# KiCad board vanilla-ice40-8k.kicad_pcb (continued)
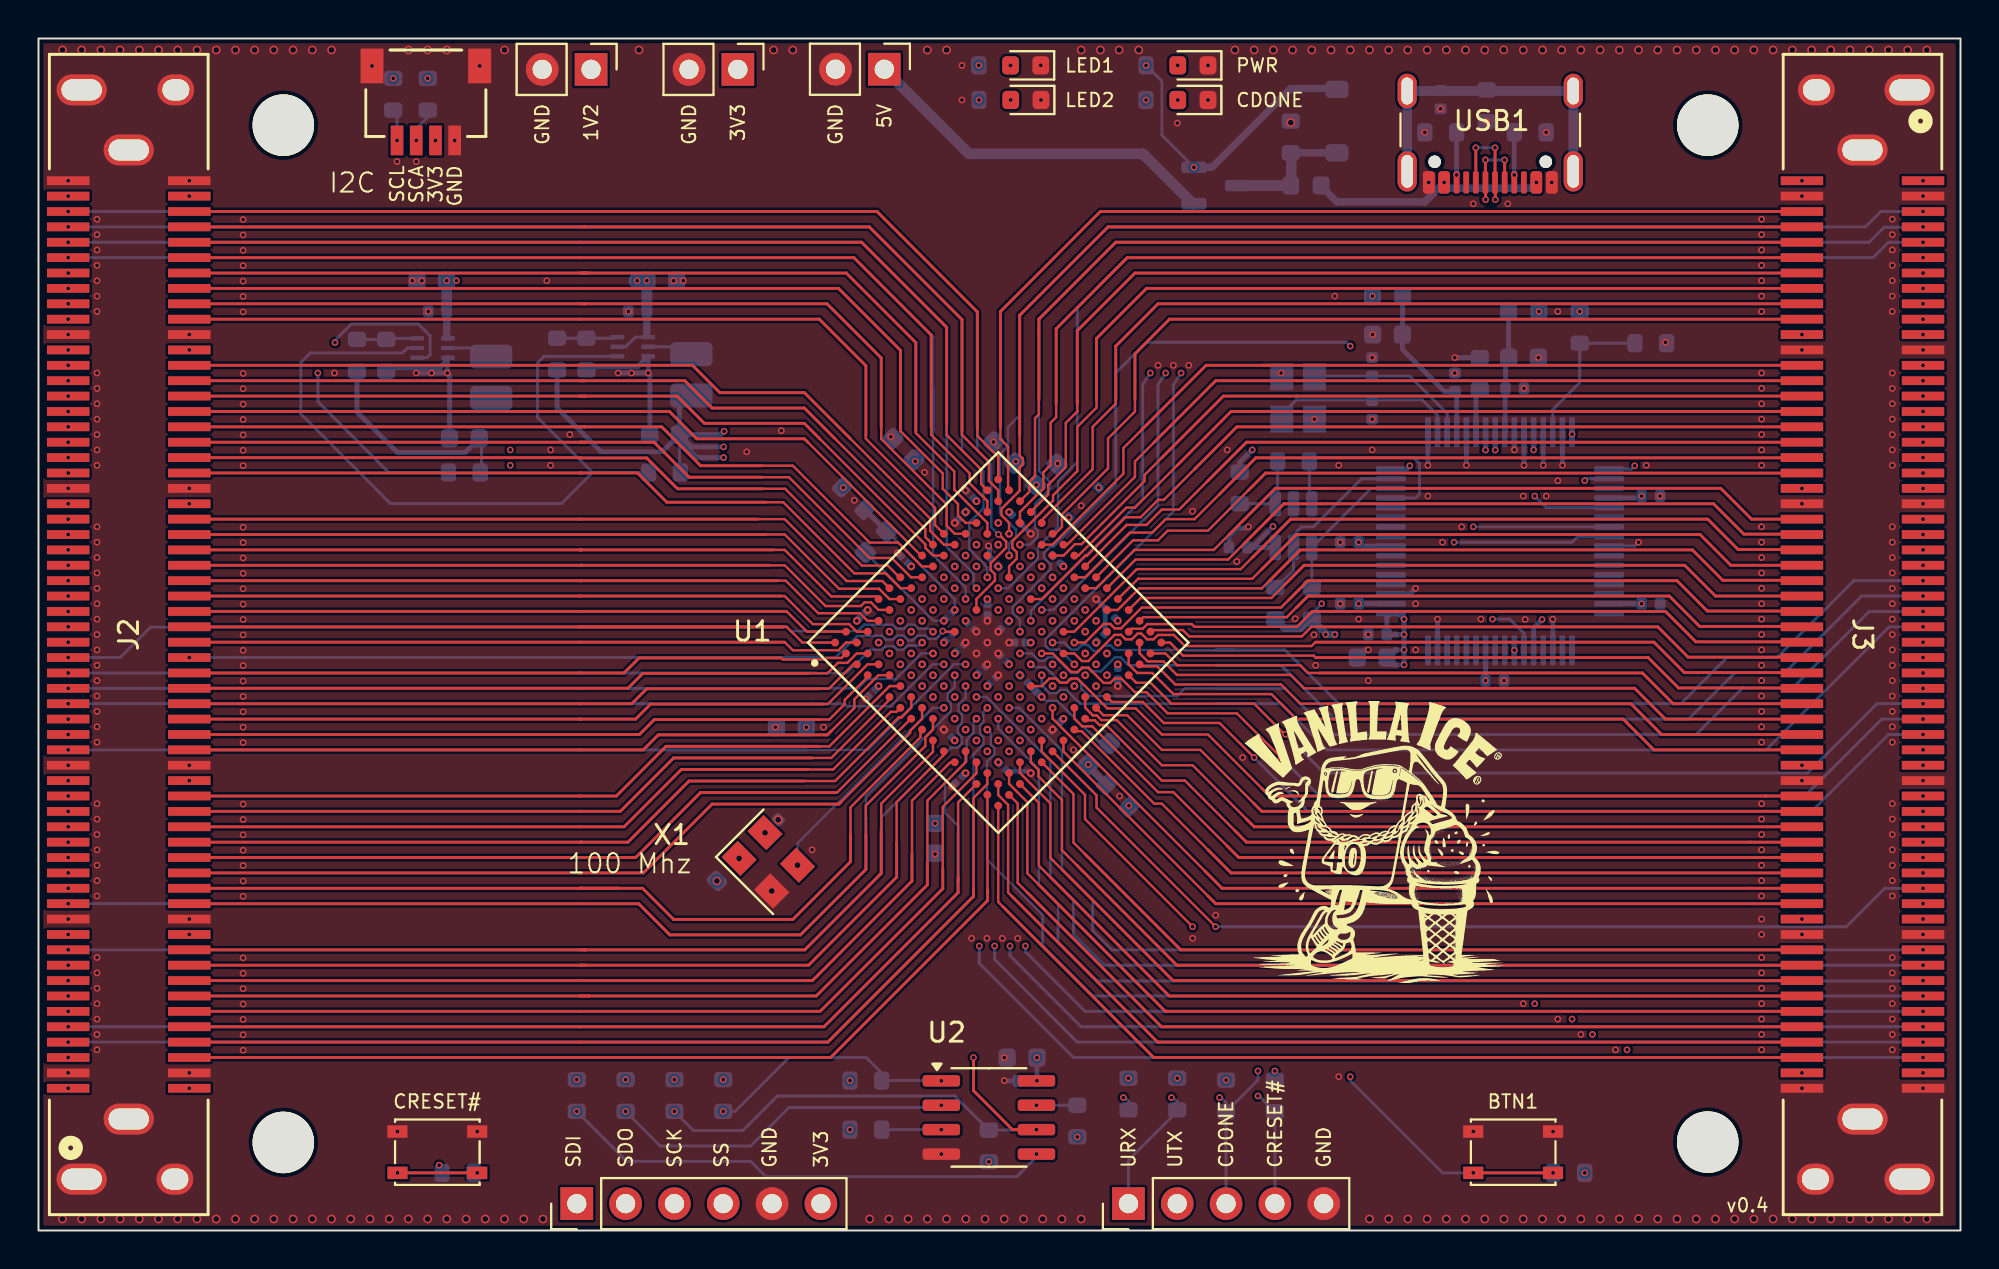
[diagram p0: board, top side]
## Footprints (pads in the part's own frame, mm; a bottom-side part is the same pattern mirrored in y, then rotated) (continued)
  rrect 0.875x0.95 smd: 1(-0.788,0) 2(0.788,0)
D_SOD-123
  rrect 0.9x1.2 smd: 1(-1.65,0) 2(1.65,0)
D_SOD-323F
  rrect 0.5x0.5 smd: 1(-1.1,0) 2(1.1,0)
L_0603_1608Metric
  rrect 0.875x0.95 smd: 1(-0.788,0) 2(0.788,0)
L_1008_2520Metric
  rrect 1.25x2.2 smd: 1(-1.075,0) 2(1.075,0)
LQFP-64_10x10mm_P0.5mm
  rrect 1.55x0.3 smd: 1(-5.675,3.75) 2(-5.675,3.25) 3(-5.675,2.75) 4(-5.675,2.25) 5(-5.675,1.75) 6(-5.675,1.25) 7(-5.675,0.75) 8(-5.675,0.25) 9(-5.675,-0.25) 10(-5.675,-0.75) 11(-5.675,-1.25) 12(-5.675,-1.75) 13(-5.675,-2.25) 14(-5.675,-2.75) 15(-5.675,-3.25) 16(-5.675,-3.75) 33(5.675,-3.75) 34(5.675,-3.25) 35(5.675,-2.75) 36(5.675,-2.25) 37(5.675,-1.75) 38(5.675,-1.25) 39(5.675,-0.75) 40(5.675,-0.25) 41(5.675,0.25) 42(5.675,0.75) 43(5.675,1.25) 44(5.675,1.75) 45(5.675,2.25) 46(5.675,2.75) 47(5.675,3.25) 48(5.675,3.75)
  rrect 0.3x1.55 smd: 17(-3.75,-5.675) 18(-3.25,-5.675) 19(-2.75,-5.675) 20(-2.25,-5.675) 21(-1.75,-5.675) 22(-1.25,-5.675) 23(-0.75,-5.675) 24(-0.25,-5.675) 25(0.25,-5.675) 26(0.75,-5.675) 27(1.25,-5.675) 28(1.75,-5.675) 29(2.25,-5.675) 30(2.75,-5.675) 31(3.25,-5.675) 32(3.75,-5.675) 49(3.75,5.675) 50(3.25,5.675) 51(2.75,5.675) 52(2.25,5.675) 53(1.75,5.675) 54(1.25,5.675) 55(0.75,5.675) 56(0.25,5.675) 57(-0.25,5.675) 58(-0.75,5.675) 59(-1.25,5.675) 60(-1.75,5.675) 61(-2.25,5.675) 62(-2.75,5.675) 63(-3.25,5.675) 64(-3.75,5.675)
MountingHole_3.2mm_M3
  round 3.2 hole 3.2 unplated: (0,0)
Oscillator_SMD_SeikoEpson_SG8002CE-4Pin_3.2x2.5mm
  rect 1.4x1.2 smd: 1(-1.2,-0.95) 2(1.2,-0.95) 3(1.2,0.95) 4(-1.2,0.95)
PinHeader_1x02_P2.54mm_Vertical
  rect 1.7x1.7 hole 1: 1(0,0)
  oval 1.7x1.7 hole 1: 2(0,-2.54)
PinHeader_1x05_P2.54mm_Vertical
  rect 1.7x1.7 hole 1: 1(0,0)
  oval 1.7x1.7 hole 1: 2(0,-2.54) 3(0,-5.08) 4(0,-7.62) 5(0,-10.16)
PinHeader_1x06_P2.54mm_Vertical
  rect 1.7x1.7 hole 1: 1(0,0)
  oval 1.7x1.7 hole 1: 2(0,-2.54) 3(0,-5.08) 4(0,-7.62) 5(0,-10.16) 6(0,-12.7)
R_0603_1608Metric
  rrect 0.8x0.95 smd: 1(-0.825,0) 2(0.825,0)
SOIC-8_3.9x4.9mm_P1.27mm
  rrect 1.95x0.6 smd: 1(-2.475,1.905) 2(-2.475,0.635) 3(-2.475,-0.635) 4(-2.475,-1.905) 5(2.475,-1.905) 6(2.475,-0.635) 7(2.475,0.635) 8(2.475,1.905)
SOT6_DRL_TEX
  rect 0.711x0.229 smd: 1(-0.8,0.5) 2(-0.8,0) 3(-0.8,-0.5) 4(0.8,-0.5) 5(0.8,0) 6(0.8,0.5)
SOT-23-3
  rrect 1.325x0.6 smd: 1(-1.137,0.95) 2(-1.137,-0.95) 3(1.137,0)
SOT-23-6
  rrect 1.325x0.6 smd: 1(-1.137,0.95) 2(-1.137,0) 3(-1.137,-0.95) 4(1.137,-0.95) 5(1.137,0) 6(1.137,0.95)
SW_SPST_PTS810
  rect 1.05x0.65 smd: 1(-2.075,1.075) 1(2.075,1.075) 2(-2.075,-1.075) 2(2.075,-1.075)
USB_C_Receptacle_GCT_USB4105-xx-A_16P_TopMnt_Horizontal
  round 0.65 hole 0.65 unplated: (-2.89,2.605) (2.89,2.605)
  rrect 0.6x1.15 smd: A1(-3.2,3.68) A4(-2.4,3.68) A9(2.4,3.68) A12(3.2,3.68) B1(3.2,3.68) B4(2.4,3.68) B9(-2.4,3.68) B12(-3.2,3.68)
  rrect 0.3x1.15 smd: A5(-1.25,3.68) A6(-0.25,3.68) A7(0.25,3.68) A8(1.25,3.68) B5(1.75,3.68) B6(0.75,3.68) B7(-0.75,3.68) B8(-1.75,3.68)
  oval 1x2.1 hole 0.6x1.7: S1(-4.32,3.105) S1(4.32,3.105)
  oval 1x1.8 hole 0.6x1.4: S1(-4.32,-1.075) S1(4.32,-1.075)

## Nets
+1V2: C2.1 C3.1 C4.1 C5.1 C6.1 C7.1 C8.1 C57.1 J9.1 L2.2 R10.1 R11.1 R37.1 R38.2 U1.A14 U1.F6 U1.F10 U1.K6 U1.K10 U1.L2
+3V3: C1.1 C14.1 C15.1 C16.1 C17.1 C18.1 C19.1 C20.1 C21.1 C22.1 C23.1 C24.1 C25.1 C26.1 C27.1 C28.1 C29.1 C30.1 C31.1 C32.1 C33.1 C34.1 C39.1 C40.1 C41.1 C42.1 C43.1 C46.1 C47.1 C48.1 C54.1 D1.2 FB1.1 FB2.1 J1.2 J2.1 J2.11 J2.21 J2.39 J2.49 J2.59 J2.61 J2.71 J2.81 J2.99 J2.109 J2.119 J3.1 J3.11 J3.21 J3.39 J3.49 J3.59 J3.61 J3.71 J3.81 J3.99 J3.109 J3.119 J5.6 J8.1 L1.2 R1.1 R2.1 R5.2 R6.1 R8.2 R9.2 R18.1 R20.1 R21.1 R22.1 R23.1 R26.1 R27.1 R28.1 R33.1 R35.2 U1.A3 U1.A8 U1.A13 U1.C15 U1.E1 U1.F8 U1.G6 U1.H10 U1.H15 U1.J6 U1.K8 U1.N1 U1.N13 U1.N15 U1.P3 U1.R8 U1.R13 U2.8 U3.20 U3.31 U3.42 U3.50 U3.56 U4.6 X1.4
+5V: C52.1 C53.1 C55.1 C56.1 D2.1 Q1.2 R7.2 U5.1 U5.5 U6.1
/hx8k power/GNDPLL0: C9.2 C10.2 U1.N8
/hx8k power/GNDPLL1: C11.2 C12.2 U1.E7
/usb-c power/1V2_SW: L2.1 U6.2
/usb-c power/3V3_SW: L1.1 U5.2
GND: 5V_1.1 BUT1.1 C1.2 C2.2 C3.2 C4.2 C5.2 C6.2 C7.2 C8.2 C13.2 C14.2 C15.2 C16.2 C17.2 C18.2 C19.2 C20.2 C21.2 C22.2 C23.2 C24.2 C25.2 C26.2 C27.2 C28.2 C29.2 C30.2 C31.2 C32.2 C33.2 C34.2 C35.2 C36.2 C37.2 C38.2 C39.2 C40.2 C41.2 C42.2 C43.2 C44.2 C45.2 C46.2 C47.2 C48.2 C49.2 C50.2 C51.1 C52.2 C53.2 C54.2 C55.2 C56.2 C57.2 CDONE1.1 J1.1 J1.S J2.2 J2.12 J2.22 J2.40 J2.50 J2.60 J2.62 J2.72 J2.82 J2.100 J2.110 J2.120 J2.121 J2.122 J2.123 J2.124 J2.125 J2.126 J3.2 J3.12 J3.22 J3.40 J3.50 J3.60 J3.62 J3.72 J3.82 J3.100 J3.110 J3.120 J3.121 J3.122 J3.123 J3.124 J3.125 J3.126 J4.5 J5.5 J7.2 J8.2 J9.2 R19.1 R30.1 R31.1 R32.1 R34.2 R36.1 R39.1 R301.1 RESET1.1 U1.A4 U1.A12 U1.E15 U1.G7 U1.G8 U1.G9 U1.H7 U1.H8 U1.H9 U1.J7 U1.J8 U1.J9 U1.K2 U1.K7 U1.L15 U1.R7 U1.T4 U1.T12 U2.4 U3.1 U3.5 U3.10 U3.11 U3.13 U3.15 U3.25 U3.35 U3.47 U3.51 U4.2 U5.3 U6.3 USB1.A1 USB1.A12 USB1.B1 USB1.B12 USR1.1 USR2.1 X1.2 Y1.2 Y1.4
/CDONE: CDONE1.2 J4.3 R6.2 R16.2 U1.M10
/CRESET#: J4.4 R5.1 R17.2 RESET1.2 U1.N11
/IOB_52: J3.55 U1.N6
/IOB_53: J3.118 U1.T1
/IOB_54: J3.46 U1.P4
/IOB_55: J3.117 U1.R2
/IOB_56: J3.43 U1.N5
/IOB_57: J3.116 U1.T2
/IOB_58: J3.44 U1.P5
/IOB_59: J3.115 U1.R3
/IOB_60: J3.112 U1.R5
/IOB_61: J3.114 U1.T3
/IOB_63: J3.113 U1.R4
/IOB_64: J3.56 U1.M7
/IOB_66: J3.38 U1.N7
/IOB_67: J3.42 U1.P6
/IOB_68: J3.101 U1.M8
/IOB_69: J3.111 U1.T5
/IOB_71: J3.48 U1.R6
/IOB_72: J3.107 U1.P8
/IOB_73: J3.47 U1.T6
/IOB_74: J3.29 U1.L9
/IOB_75: J3.108 U1.T7
/IOB_76: J3.106 U1.T8
/IOB_77: J3.41 U1.P7
/IOB_78: J3.33 U1.N9
/IOB_79: J3.104 U1.T9
/IOB_80: J3.30 U1.M9
/IOB_81: J3.105 U1.R9
/IOB_82: J3.28 U1.K9
/IOB_83: J3.34 U1.P9
/IOB_84: J3.103 U1.R10
/IOB_85: J3.36 U1.L10
/IOB_86: J3.32 U1.P10
/IOB_87: J3.31 U1.N10
/IOB_88: J3.102 U1.T10
/IOB_89: J3.37 U1.T11
/IOB_91: J3.95 U1.T15
/IOB_92: J3.97 U1.T14
/IOB_93: J3.93 U1.M11
/IOB_94: J3.35 U1.T13
/IOB_98: J3.25 U1.N12
/IOB_99: J3.27 U1.L11
/IOB_100: J3.94 U1.T16
/IOB_101: J3.89 U1.M12
/IOB_102: J3.92 U1.R16
/IOB_105_SDO: J5.1 R13.2 U1.P12 U2.5
/IOB_106_SDI: J5.2 R14.2 U1.P11 U2.2
/IOB_107_SCK: J5.3 R12.2 R20.2 U1.R11 U2.6
/IOB_108_SS: J5.4 R15.2 R18.2 U1.R12 U2.1
/IOL_1A: J2.25 U1.E4
/IOL_1B: J2.90 U1.B2
/IOL_2A: J2.27 U1.F5
/IOL_2B: J2.88 U1.B1
/IOL_3A: J2.86 U1.C1
/IOL_3B: J2.87 U1.C2
/IOL_4A: J2.20 U1.F4
/IOL_4B: J2.85 U1.D2
/IOL_5A: J2.26 U1.G5
/IOL_5B: J2.84 U1.D1
/IOL_6A: J2.17 U1.G4
/IOL_6B: J2.24 U1.E3
/IOL_7A: J2.13 U1.H5
/IOL_7B: J2.83 U1.E2
/IOL_8A: J2.18 U1.G3
/IOL_8B: J2.19 U1.F3
/IOL_9A: J2.16 U1.H3
/IOL_9B: J2.80 U1.F2
/IOL_10A: J2.23 U1.H6
/IOL_10B: J2.79 U1.F1
/IOL_11A: J2.15 U1.H4
/IOL_11B: J2.77 U1.G2
/IOL_12A: J2.14 U1.J4
/IOL_12B: J2.75 U1.H2
/IOL_13A: J2.10 U1.J5
/IOL_13B: J2.78 U1.G1
/IOL_14A_CLK: U1.J3 X1.3
/IOL_14B: J2.76 U1.H1
/IOL_15A: J2.73 U1.J2
/IOL_15B: J2.74 U1.J1
/IOL_16A: J2.70 U1.K1
/IOL_16B: J2.9 U1.K3
/IOL_17A: J2.5 U1.L4
/IOL_17B: J2.69 U1.L1
/IOL_18A: J2.8 U1.K4
/IOL_18B: J2.68 U1.M1
/IOL_19A: J3.58 U1.L6
/IOL_19B: J2.7 U1.L3
/IOL_20A: J3.52 U1.K5
/IOL_20B: J2.67 U1.M2
/IOL_21A: J3.57 U1.L7
/IOL_21B: J2.66 U1.N2
/IOL_22A: J3.51 U1.M6
/IOL_22B: J2.6 U1.M3
/IOL_23A: J2.4 U1.L5
/IOL_23B: J2.3 U1.N3
/IOL_24A: J2.65 U1.P1
/IOL_24B: J3.54 U1.M4
/IOL_25A: J2.64 U1.P2
/IOL_25B: J3.53 U1.M5
/IOL_26A: J2.63 U1.R1
/IOL_26B: J3.45 U1.N4
/IOR_109: J3.98 U1.R14
/IOR_110: J3.96 U1.R15
/IOR_111: J3.24 U1.P14
/IOR_112: J3.91 U1.P15
/IOR_113: J3.90 U1.P16
/IOR_114: J3.20 U1.M13
/IOR_115: J3.23 U1.M14
/IOR_116: J3.85 U1.L12
/IOR_117: J3.88 U1.N16
/IOR_118: J3.18 U1.L13
/IOR_119: J3.19 U1.L14
/IOR_120: J3.26 U1.K12
/IOR_121: J3.86 U1.M16
/IOR_122_BUT1: BUT1.2 R8.1 U1.J10
/IOR_123: J3.87 U1.M15
/IOR_126_UTX: J4.2 R25.2 U1.J11
/IOR_127: J3.84 U1.L16
/IOR_128: J3.16 U1.K13
/IOR_129: J3.17 U1.K14
/IOR_130: J3.79 U1.J15
/IOR_131: J3.83 U1.K15
/IOR_133: J3.80 U1.K16
/IOR_134: J3.15 U1.J14
/IOR_136_URX: J4.1 R24.2 U1.J12
/IOR_137: J3.14 U1.J13
/IOR_138: J3.78 U1.J16
/IOR_139: J3.10 U1.H13
/IOR_140_USR1: R3.1 U1.H11
/IOR_141: J3.76 U1.H16
/IOR_142: J3.13 U1.H14
/IOR_143: J3.74 U1.G16
/IOR_144: J3.77 U1.H12
/IOR_145: J3.75 U1.G15
/IOR_146_SCL: J1.4 R2.2 U1.G10
/IOR_147: J3.70 U1.F16
/IOR_148_SCA: J1.3 R1.2 U1.G11
/IOR_149: J3.73 U1.F15
/IOR_150: J3.9 U1.G14
/IOR_151: J3.69 U1.E16
/IOR_152: J3.8 U1.G13
/IOR_153: J3.67 U1.D16
/IOR_154_USR2: R4.1 U1.G12
/IOR_155: J3.7 U1.F14
/IOR_156: J3.68 U1.F12
/IOR_157: J3.66 U1.D15
/IOR_158: J3.5 U1.F11
/IOR_160: J3.4 U1.E14
/IOR_161: J3.65 U1.C16
/IOR_162: J3.6 U1.F13
/IOR_165: J3.63 U1.B16
/IOR_166: J3.3 U1.E13
/IOR_167: J3.64 U1.D14
/IOT_168: J2.54 U1.C14
/IOT_169: J2.117 U1.B15
/IOT_170: J2.53 U1.D13
/IOT_171: J2.115 U1.B14
/IOT_172: J2.52 U1.C12
/IOT_173: J2.57 U1.E11
/IOT_174: J2.114 U1.C13
/IOT_176: J2.118 U1.A16
/IOT_177: J2.116 U1.A15
/IOT_178: J2.113 U1.B13
/IOT_179: J2.56 U1.E10
/IOT_180: J2.51 U1.C11
/IOT_181: J2.48 U1.D11
/IOT_182: J2.112 U1.B12
/IOT_183: J2.106 U1.B10
/IOT_184: J2.108 U1.B11
/IOT_185: J2.47 U1.C10
/IOT_186: J2.107 U1.A10
/IOT_187: J2.111 U1.A11
/IOT_190: J2.46 U1.D10
/IOT_191: J2.45 U1.C9
/IOT_192: J2.55 U1.E9
/IOT_193: J2.44 U1.D9
/IOT_194: J2.105 U1.A9
/IOT_196: J2.58 U1.F9
/IOT_197: J2.43 U1.C8
/IOT_198: J2.89 U1.F7
/IOT_199: J2.104 U1.B9
/IOT_200: J2.42 U1.D8
/IOT_203: J2.103 U1.B8
/IOT_205: J2.102 U1.A7
/IOT_206: J2.41 U1.C7
/IOT_207: J2.101 U1.B7
/IOT_208: J2.97 U1.B6
/IOT_209: J2.37 U1.C6
/IOT_210: J2.38 U1.D7
/IOT_211: J2.98 U1.A6
/IOT_212: J2.36 U1.D6
/IOT_213: J2.96 U1.A5
/IOT_214: J2.95 U1.B5
/IOT_215: J2.29 U1.E6
/IOT_216: J2.94 U1.B4
/IOT_218: J2.92 U1.A2
/IOT_219: J2.34 U1.D5
/IOT_220: J2.91 U1.A1
/IOT_221: J2.35 U1.C5
/IOT_222: J2.33 U1.C4
/IOT_223: J2.93 U1.B3
/IOT_224: J2.32 U1.D4
/IOT_225: J2.28 U1.E5
/IOT_226: J2.30 U1.D3
/IOT_227: J2.31 U1.C3
/sram programmer/FT_VCORE: C44.1 C45.1 U3.12 U3.37 U3.49 U3.64
/sram programmer/FTDI_URX: R25.1 U3.39
/sram programmer/FTDI_UTX: R24.1 U3.38
/sram programmer/RESET#: R23.2 R301.2 U3.14
/USB_DN: U3.7 USB1.A7 USB1.B7
/USB_DP: U3.8 USB1.A6 USB1.B6
EXT_5V: J7.1 Q1.1
USB_5V: D2.2 FB3.2 Q1.3 R30.2
Net-(5V_1-A): 5V_1.2 R7.1
Net-(D1-K): C13.1 D1.1 U1.E12
Net-(FB3-Pad1): FB3.1 USB1.A4 USB1.A9 USB1.B4 USB1.B9
Net-(U1E-VCCPLL0): C9.1 C10.1 R10.2 U1.L8
Net-(U1E-VCCPLL1): C11.1 C12.1 R11.2 U1.E8
Net-(U2-~{HOLD}): R22.2 U2.7
Net-(U2-~{WP}): R21.2 U2.3
Net-(U3-ADBUS0): R12.1 U3.16
Net-(U3-ADBUS1): R13.1 U3.17
Net-(U3-ADBUS2): R14.1 U3.18
Net-(U3-ADBUS4): R15.1 U3.21
Net-(U3-ADBUS6): R16.1 U3.23
Net-(U3-ADBUS7): R17.1 U3.24
Net-(U3-EECLK): R27.2 U3.62 U4.4
Net-(U3-EECS): R28.2 U3.63 U4.5
Net-(U3-EEDATA): R29.2 U3.61 U4.3
Net-(U3-OSCI): C49.1 U3.2 Y1.3
Net-(U3-OSCO): C50.1 U3.3 Y1.1
Net-(U3-REF): R19.2 U3.6
Net-(U3-VPHY): C37.1 C38.1 FB2.2 U3.4
Net-(U3-VPLL): C35.1 C36.1 FB1.2 U3.9
Net-(U4-DO): R26.2 R29.1 U4.1
Net-(U5-FB): R35.1 R36.2 U5.6
Net-(U5-PG): R33.2 U5.4 U6.5
Net-(U6-FB): R38.1 R39.2 U6.6
Net-(U6-PG): R37.2 U6.4
Net-(USB1-CC1): R32.2 USB1.A5
Net-(USB1-CC2): R31.2 USB1.B5
Net-(USB1-SHIELD): C51.2 R34.1 USB1.S1
Net-(USR1-A): R3.2 USR1.2
Net-(USR2-A): R4.2 USR2.2
Net-(X1-OE): R9.1 X1.1

Pads without a net: U1 D12 K11 N14 P13; U3 19 22 26 27 28 29 30 32 33 34 36 40 41 43 44 45 46 48 52 53 54 55 57 58 59 60; USB1 A8 B8

## Via types
v1: diameter 0.35, hole 0.2, Top to Bottom, 736 vias
v2: diameter 0.45, hole 0.3, Top to Bottom, 140 vias

## Routing (per net, layer and track width the routed paths; a pad name or vN(x,y) marks a point on that pad's centre or on a via; arc(x,y) is an arc through that point)
+1V2: length 126.7
  In3.Cu w0.127: v1(49.37,28.32) 49.37,27.7 47.67,26.01 v1(47.67,25.49)
  In3.Cu w0.254: 50.85,39.98 v1(50.85,40) ; v1(47.67,25.49) 37.16,25.49 24.55,38.1 v1(24.55,40.6) 24.65,40.6 27.45,37.8 41.03,37.8 v1(41.87,38.64)
  In4.Cu w0.127: 47.7,30.58 v1(47.1,30.58) 47.7,30.58 ; 47.7,30.58 47.67,30.61 49.37,32.31 v1(49.37,32.84) ; 47.7,30.58 49.37,28.91 v1(49.37,28.32) 49.37,28.85 51.09,30.58 v1(51.63,30.58) 51.07,30.58 49.37,32.28 v1(49.37,32.84) ; v1(48.8,37.93) 48.8,37.35 48.44,36.99 48.44,35.52 48.65,35.31 48.65,35 48.44,34.79 48.44,34.39 49.37,33.46 v1(49.37,32.84)
  In4.Cu w0.254: v1(41.87,38.64) 46.01,38.64 46.71,37.93 v1(48.8,37.93) 50.85,39.98 ; v1(24.55,40.6) 24.55,46.36 28.75,50.56 J9.1 ; v1(47.67,25.49) 47.67,25.38 50.95,22.1 v1(56.73,22.1)
  Bottom w0.156: 23.05,39.42 23.05,41.13
  Bottom w0.254: C57.1 22.2,40.47 18.67,40.47 16.57,42.58 R38.2
  vias: v1(24.55,39.8)
+3V3: length 40.4
  Bottom w0.156: C54.1 33.35,39.47 R33.1 ; v1(66.76,32.6) 66.25,32.09 R27.1 ; C48.1 63.13,35.53 ; 83.31,38.1 v1(83.41,38.2) ; v1(68.69,35.8) 68.89,35.6
  Bottom w0.254: v1(35.65,40.76) 33.98,40.76 C54.1 ; U3.20 83.31,38.1 ; C54.1 35.49,41.39 v1(35.67,41.57) ; C54.1 33.35,42.81 L1.2 ; 68.77,32.6 70.36,32.6 ; 63.13,35.53 v1(64.23,36.62) ; v1(35.65,40.2) 34.24,40.2 33.35,41.1 ; v1(75.29,28.6) U3.42 ; U3.31 83.29,32.6 ; R26.1 62.5,39.95 v1(63.15,40.6) ; 33.33,41.39 32.45,40.5 29.27,40.5 26.98,42.79 R35.2 ; C48.1 64.35,35.53 ; v1(51.95,8.99) v1(51.95,7.79) ; 68.89,35.6 70.36,35.6
  Bottom w0.381: R27.1 67.05,31 v1(67.45,31) ; 66.17,31.8 65.7,31.33 64.82,31.33 R28.1
  vias: v1(1.55,53.8) v1(1.55,45.8) v1(1.55,37.8) v1(1.55,23.4) v1(1.55,15.4) v1(1.55,7.4) v1(7.85,53.8) v1(7.85,45.8) v1(7.85,37.8) v1(7.85,23.4) v1(7.85,15.4) v1(7.85,7.4) v1(18.46,59.93) v1(20.26,59.93) v1(20.66,56.69) v1(20.85,3.4) v1(39.95,26.18) v1(42.22,7.8) v1(42.22,5.25) v1(42.58,31.71) v1(43.71,28.32) v1(45.41,34.54) v1(45.62,40.01) v1(46.65,21.18) v1(47.67,30.01) v1(48.24,37.37) v1(48.24,31.71) v1(48.24,23.79) v1(48.8,28.88) v1(49.45,3.58) v1(49.93,24.36) v1(50.5,37.37) v1(50.5,31.71) v1(50.5,29.45) v1(51.91,38.78) v1(53.33,34.54) v1(53.33,26.62) v1(54.05,4.87) v1(55.02,30.58) v1(55.17,38.64) v1(56.16,31.71) v1(56.16,29.45) v1(57.62,58.8) v1(66.97,31) v1(68.69,32.6) v1(69.4,48.6) v1(78.06,47.8) v1(80.19,47.8) v1(80.45,3) v1(83.41,32.6) v1(91.75,54.6) v1(91.75,46.6) v1(91.75,38.6) v1(91.75,24.2) v1(91.75,16.2) v1(91.75,8.2) v1(98.05,54.6) v1(98.05,46.6) v1(98.05,38.6) v1(98.05,24.2) v1(98.05,16.2) v1(98.05,8.2) v2(35.3,18.18) v2(37.8,20.69)
+5V: length 66
  In3.Cu w0.559: v1(31.15,49.4) 30.25,49.4 29.45,50.2 22.75,50.2 21.95,49.4 v1(21.24,49.4)
  In4.Cu w0.559: v1(60.12,55.3) 37.35,55.3 31.45,49.4 v1(31.15,49.4)
  Bottom w0.156: U5.1 31.05,46.47 30.55,45.97 U5.5 ; v1(60.12,55.3) 58.45,56.97 58.45,59.77 v1(57.62,60.6)
  Bottom w0.254: v1(21.24,49.4) v1(21.75,49.4)
  Bottom w0.381: 21.24,47.81 21.24,46.47 21.25,46.46 21.31,46.46 ; v1(60.12,55.3) 61.06,55.3 65.16,59.4 67.51,59.4 D2.1 ; 31.66,47.87 31.66,46.59
  Bottom w0.559: v1(21.24,49.4) 21.24,47.87 ; v1(31.66,49.4) 31.66,47.87
  Bottom w0.889: v1(31.66,49.4) v1(31.15,49.4)
/hx8k power/GNDPLL0: length 5.5
  Bottom w0.127: v1(52.2,27.75) 52.4,27.55 53.01,27.55 55.23,25.33 C10.2
  Bottom w0.381: v1(52.2,27.75) C9.2
/hx8k power/GNDPLL1: length 5.6
  Bottom w0.127: v1(47.1,31.71) 46.57,31.71 C12.2
/usb-c power/1V2_SW: length 1.7
  Bottom w0.156: U6.2 22.98,45.9
/usb-c power/3V3_SW: length 2.2
  Bottom w0.156: U5.2 33.91,45.97
GND: length 42.6
  Bottom w0.156: v1(62.95,36.6) 62.95,36.54 ; U3.25 83.05,35.6 v1(83.25,35.8)
  Bottom w0.254: C46.2 50.26,7.79 v1(50.25,7.8) ; C48.2 61.94,36.09 62.38,36.54 62.95,36.54 ; v1(21.27,44.6) v1(19.65,44.6) ; v1(21.27,44.6) 21.27,45.27 ; v1(21.27,44.6) 21.4,44.47 21.4,41.33 ; v1(78.79,31.8) U3.35 ; 21.27,45.27 20.89,44.89 18.54,44.89 18.52,44.91 ; 21.27,45.27 21.27,45.36 U6.3 ; v1(74.29,39.8) U3.5 ; 70.36,33.1 71.35,33.1 v1(71.65,33.4) ; C31.2 v1(51.63,36.24) ; v1(79.29,39.8) U3.15 ; 28.7,44.95 31.21,44.95 U5.3 v1(31.72,44.6) ; v1(55.02,32.84) 55.48,32.39 ; v1(31.72,44.6) 31.81,44.51 31.81,41.39 ; v1(31.72,44.6) v1(30.16,44.6) ; C14.2 55.49,32.18 C34.2 ; C17.2 51.53,23.89 v1(51.63,23.79) ; C44.2 69.01,30.2 v1(69.19,30.2) ; C13.2 49.48,35.56 v1(49.43,35.61) ; v1(76.79,40.6) U3.10 ; v1(78.29,39.8) U3.13 ; v1(72.79,31.8) U3.47 ; v1(72.29,39.8) U3.1 ; v1(73.69,45.4) R19.1 ; v1(77.29,39.8) U3.11
  vias: v1(1.55,54.6) v1(1.55,46.6) v1(1.55,38.6) v1(1.55,24.2) v1(1.55,16.2) v1(1.55,8.2) v1(3.05,52.6) v1(3.05,51.8) v1(3.05,51) v1(3.05,50.2) v1(3.05,49.4) v1(3.05,48.6) v1(3.05,47.8) v1(3.05,44.6) v1(3.05,43.8) v1(3.05,43) v1(3.05,42.2) v1(3.05,41.4) v1(3.05,40.6) v1(3.05,39.8) v1(3.05,36.6) v1(3.05,35.8) v1(3.05,35) v1(3.05,34.2) v1(3.05,33.4) v1(3.05,32.6) v1(3.05,31.8) v1(3.05,31) v1(3.05,30.2) v1(3.05,29.4) v1(3.05,28.6) v1(3.05,27.8) v1(3.05,27) v1(3.05,26.2) v1(3.05,25.4) v1(3.05,22.2) v1(3.05,21.4) v1(3.05,20.6) v1(3.05,19.8) v1(3.05,19) v1(3.05,18.2) v1(3.05,17.4) v1(3.05,14.2) v1(3.05,13.4) v1(3.05,12.6) v1(3.05,11.8) v1(3.05,11) v1(3.05,10.2) v1(3.05,9.4) v1(7.85,54.6) v1(7.85,46.6) v1(7.85,38.6) v1(7.85,24.2) v1(7.85,16.2) v1(7.85,8.2) v1(10.65,52.58) v1(10.65,51.78) v1(10.65,50.98) v1(10.65,50.18) v1(10.65,49.38) v1(10.65,48.58) v1(10.65,47.78) v1(10.65,44.58) v1(10.65,43.78) v1(10.65,42.98) v1(10.65,42.18) v1(10.65,41.38) v1(10.65,40.58) v1(10.65,39.78) v1(10.65,36.58) v1(10.65,35.78) v1(10.65,34.98) v1(10.65,34.18) v1(10.65,33.38) v1(10.65,32.58) v1(10.65,31.78) v1(10.65,30.98) v1(10.65,30.18) v1(10.65,29.38) v1(10.65,28.58) v1(10.65,27.78) v1(10.65,26.98) v1(10.65,26.18) v1(10.65,25.38) v1(10.65,22.18) v1(10.65,21.38) v1(10.65,20.58) v1(10.65,19.78) v1(10.65,18.98) v1(10.65,18.18) v1(10.65,17.38) v1(10.65,14.18) v1(10.65,13.38) v1(10.65,12.58) v1(10.65,11.78) v1(10.65,10.98) v1(10.65,10.18) v1(10.65,9.38) v1(15.4,44.6) v1(17.36,60.57) v1(18.66,55.6) v1(18.68,5.15) v1(19.45,49.4) v1(19.66,55.6) v1(19.95,49.4) v1(20.28,47.8) v1(20.45,44.6) v1(21.66,56.69) v1(22.83,5.15) v1(22.96,60.57) v1(26.45,49.4) v1(26.65,40.6) v1(26.65,39.8) v1(27.65,41.4) v1(30.7,47.8) v1(30.85,44.6) v1(33.05,49.4) v1(33.55,49.4) v1(36.85,40.5) v1(38.35,26.18) v1(38.65,41.6) v1(40.25,19.8) v1(40.85,26.18) v1(42.45,37.98) v1(43.03,27.64) v1(43.14,32.28) v1(44.35,41.28) v1(44.7,35.25) v1(46.1,39.43) v1(46.65,19.58) v1(46.97,3.98) v1(47.1,26.05) v1(47.53,23.08) v1(47.67,36.8) v1(48.05,60.6) v1(48.05,58.8) v1(48.24,38.5) v1(48.24,30.58) v1(48.55,15.2) v1(48.8,31.15) v1(48.8,30.01) v1(49.37,31.71) v1(49.37,30.58) v1(49.37,29.45) v1(49.35,15.2) v1(49.69,41.01) v1(49.93,31.15) v1(49.93,30.01) v1(49.93,28.88) v1(50.15,15.2) v1(50.25,8.99) v1(50.5,30.58) v1(50.95,15.2) v1(52.15,60.6) v1(52.16,58.8) v1(52.76,26.05) v1(53.03,39.9) v1(53.85,25) v1(54.25,37.7) v1(56.16,28.32) v1(56.25,22.6) v1(58.25,45) v1(59.05,45) v1(59.25,57.6) v1(59.85,45) v1(60.04,37.41) v1(60.05,15.2) v1(60.85,60.6) v1(60.85,58.8) v1(61.25,16.4) v1(61.85,40.6) v1(62.35,34.8) v1(62.65,24.6) v1(64.05,24.6) v1(64.45,25.6) v1(64.65,44.6) v1(65.38,31.82) v1(66.39,42.2) v1(66.36,30.98) v1(66.45,29.4) v1(67.45,48.6) v1(67.65,39.8) v1(67.65,8) v1(67.73,35.8) v1(67.73,32.6) v1(68.69,31.8) v1(69.19,31) v1(69.19,28.6) v1(69.39,45.4) v1(69.39,42.2) v1(69.39,40.6) v1(69.41,46.6) v1(71.65,32.6) v1(71.65,30.2) v1(72.13,57.12) v1(72.29,38.2) v1(72.33,54.51) v1(72.95,58.34) v1(73.05,35.8) v1(73.69,44.6) v1(74.05,36.6) v1(74.65,53.4) v1(74.65,5.15) v1(75.05,31.8) v1(75.35,57.68) v1(76.25,28.6) v1(76.45,53.4) v1(77.29,43.8) v1(77.25,38.2) v1(77.25,11.8) v1(77.35,31.78) v1(78.04,45.4) v1(78.44,57.12) v1(78.45,38.2) v1(78.73,54.51) v1(78.8,5.15) v1(79.05,47.8) v1(79.05,39) v1(79.05,11) v1(80.25,10.2) v1(82.05,9.4) v1(83.65,39.8) v1(84.37,38.2) v1(84.65,46.2) v1(89.65,52.6) v1(89.65,51.8) v1(89.65,51) v1(89.65,50.2) v1(89.65,49.4) v1(89.65,48.6) v1(89.65,47.8) v1(89.65,44.6) v1(89.65,43.8) v1(89.65,43) v1(89.65,42.2) v1(89.65,41.4) v1(89.65,40.6) v1(89.65,39.8) v1(89.65,36.6) v1(89.65,35.8) v1(89.65,35) v1(89.65,34.2) v1(89.65,33.4) v1(89.65,32.6) v1(89.65,31.8) v1(89.65,31) v1(89.65,30.2) v1(89.65,29.4) v1(89.65,28.6) v1(89.65,27.8) v1(89.65,27) v1(89.65,26.2) v1(89.65,25.4) v1(89.65,22.2) v1(89.65,21.4) v1(89.65,20.6) v1(89.65,19.8) v1(89.65,19) v1(89.65,18.2) v1(89.65,17.4) v1(89.65,16.2) v1(89.65,15.4) v1(89.65,14.2) v1(89.65,13.4) v1(89.65,12.6) v1(89.65,11.8) v1(89.65,11) v1(89.65,10.2) v1(89.65,9.4) v1(91.75,53.8) v1(91.75,45.8) v1(91.75,37.8) v1(91.75,23.4) v1(91.75,15.4) v1(91.75,7.4) v1(96.45,52.6) v1(96.45,51.8) v1(96.45,51) v1(96.45,50.2) v1(96.45,49.4) v1(96.45,48.6) v1(96.45,47.8) v1(96.45,44.6) v1(96.45,43.8) v1(96.45,43) v1(96.45,42.2) v1(96.45,41.4) v1(96.45,40.6) v1(96.45,39.8) v1(96.45,36.6) v1(96.45,35.8) v1(96.45,35) v1(96.45,34.2) v1(96.45,33.4) v1(96.45,32.6) v1(96.45,31.8) v1(96.45,31) v1(96.45,30.2) v1(96.45,29.4) v1(96.45,28.6) v1(96.45,27.8) v1(96.45,27) v1(96.45,26.2) v1(96.45,25.4) v1(96.45,22.2) v1(96.45,21.4) v1(96.45,20.6) v1(96.45,19.8) v1(96.45,19) v1(96.45,18.2) v1(96.45,17.4) v1(96.45,14.2) v1(96.45,13.4) v1(96.45,12.6) v1(96.45,11.8) v1(96.45,11) v1(96.45,10.2) v1(96.45,9.4) v1(98.05,53.8) v1(98.05,45.8) v1(98.05,37.8) v1(98.05,23.4) v1(98.05,15.4) v1(98.05,7.4) v2(1.25,61.4) v2(1.25,0.6) v2(2.25,61.4) v2(2.25,0.6) v2(3.25,61.4) v2(3.25,0.6) v2(4.25,61.4) v2(4.25,0.6) v2(5.25,61.4) v2(5.25,0.6) v2(6.25,61.4) v2(6.25,0.6) v2(7.25,61.4) v2(7.25,0.6) v2(8.25,61.4) v2(8.25,0.6) v2(9.25,61.4) v2(9.25,0.6) v2(10.25,61.4) v2(10.25,0.6) v2(11.25,61.4) v2(11.25,0.6) v2(12.25,61.4) v2(12.25,0.6) v2(13.25,61.4) v2(13.25,0.6) v2(14.25,61.4) v2(14.25,0.6) v2(15.25,61.4) v2(15.25,0.6) v2(16.25,0.6) v2(17.25,0.6) v2(18.25,0.6) v2(19.25,61.4) v2(19.25,0.6) v2(20.25,61.4) v2(20.25,0.6) v2(21.25,61.4) v2(21.25,0.6) v2(22.25,0.6) v2(23.25,0.6) v2(24.25,61.4) v2(24.25,0.6) v2(25.25,0.6) v2(26.25,0.6) v2(31.25,61.4) v2(38.15,17.66) v2(38.25,61.4) v2(38.48,21.37) v2(39.25,61.4) v2(43.25,0.6) v2(44.25,0.6) v2(45.25,0.6) v2(46.25,61.4) v2(46.25,0.6) v2(47.25,61.4) v2(47.25,0.6) v2(48.25,0.6) v2(49.25,0.6) v2(50.25,0.6) v2(51.25,0.6) v2(52.25,0.6) v2(53.25,0.6) v2(54.25,61.4) v2(54.25,0.6) v2(55.25,61.4) v2(56.22,61.4) v2(57.25,61.4) v2(62.25,61.4) v2(63.25,61.4) v2(64.25,61.4) v2(65.16,57.62) v2(65.25,61.4) v2(66.25,61.4) v2(67.25,61.4) v2(68.25,61.4) v2(69.25,61.4) v2(69.25,0.6) v2(70.25,61.4) v2(70.25,0.6) v2(71.24,61.4) v2(71.25,0.6) v2(72.25,61.4) v2(72.25,0.6) v2(73.25,61.4) v2(73.25,0.6) v2(74.25,61.4) v2(74.25,0.6) v2(75.25,61.4) v2(75.25,0.6) v2(76.24,61.41) v2(76.25,0.6) v2(77.25,61.4) v2(77.25,0.6) v2(78.25,61.4) v2(78.25,0.6) v2(79.25,61.4) v2(79.25,0.6) v2(80.25,61.4) v2(80.25,0.6) v2(81.25,61.4) v2(81.25,0.6) v2(82.25,61.4) v2(82.25,0.6) v2(83.25,61.4) v2(83.25,0.62) v2(84.25,61.4) v2(84.25,0.6) v2(85.25,61.4) v2(85.25,0.6) v2(86.25,61.4) v2(86.25,0.6) v2(87.25,61.4) v2(87.25,0.6) v2(88.25,61.4) v2(88.25,0.6) v2(89.25,61.4) v2(89.25,0.6) v2(90.25,61.4) v2(90.25,0.6) v2(91.25,61.4) v2(91.25,0.6) v2(92.25,61.4) v2(92.25,0.6) v2(93.25,61.4) v2(93.25,0.6) v2(94.25,61.4) v2(94.25,0.6) v2(95.25,61.4) v2(95.25,0.6) v2(96.25,61.4) v2(96.25,0.6) v2(97.25,61.4) v2(97.25,0.6) v2(98.25,61.4) v2(98.25,0.6)
/CDONE: length 95
  In3.Cu w0.127: v1(52.76,29.45) 53.13,29.81 53.13,31.96 52.96,32.13 52.96,32.43 53.13,32.59 53.13,32.99 52.95,33.17 52.95,33.64 53.13,33.82 53.13,34.13 52.95,34.3 52.95,36.64 52.65,36.94 52.65,40.9 52.95,41.2 52.95,44.3
  In3.Cu w0.156: v1(63.45,8.3) 63.63,8.48 63.63,53.72 60.75,56.6 60.75,58 59.95,58.8 v1(59.27,58.8) 59.27,58.72 52.95,52.4 52.95,43.4
  Bottom w0.156: 61.45,7 61.45,7 61.79,6.66 R16.2 ; R16.2 63.45,7.84 v1(63.45,8.3) ; R16.2 J4.3
  vias: v1(61.45,6.91)
/CRESET#: length 110.6
  Top w0.156: v1(22.83,3) v1(18.68,3)
  In2.Cu w0.156: J4.4 62.73,3 v1(22.83,3)
  In3.Cu w0.156: v1(63.45,7) 63.45,7.5 62.05,8.9 62.05,24.99 61.45,25.59 61.45,42.4 59.45,44.4 v1(59.45,44.6)
  Bottom w0.127: v1(53.89,29.45) 53.13,30.21 52.61,30.21 52.4,30.43 52.4,30.75 59.05,37.4 59.05,38.2
  Bottom w0.156: R17.2 63.5,7 v1(63.45,7) ; v1(59.45,44.6) 59.05,44 59.05,38.2 ; 64.33,5.82 J4.4 64.05,1.68
/IOB_52: length 60.4
  In3.Cu w0.127: v1(51.35,14.8) 51.35,23.56 51.26,23.64 51.26,23.94 51.43,24.11 51.43,25.74 51.26,25.9 51.26,26.42 v1(51.06,26.62)
  Bottom w0.156: v1(98.05,11.4) 59.05,11.4 54.45,11.4 51.35,14.5 v1(51.35,14.8)
/IOB_53: length 50.4
  Top w0.127: U1.T1 49.93,17.09 50.19,16.83
  Top w0.156: 59.65,9 J3.118 ; 59.65,9 58.02,9 50.19,16.83 ; 59.65,9 59.85,9
/IOB_54: length 50.3
  In2.Cu w0.127: v1(50.5,24.92) 50.5,24.75 51.05,24.2 51.74,24.2 57.34,18.6 57.85,18.6
  In2.Cu w0.156: v1(98.05,18.6) 57.85,18.6
/IOB_55: length 50.4
  Top w0.127: U1.R2 49.93,22.65 50.45,22.14 50.45,17.58 50.65,17.38
  Top w0.156: 50.65,17.38 58.23,9.8 J3.117
/IOB_56: length 49.6
  In2.Cu w0.127: v1(50.5,26.05) 51.11,26.05 51.77,25.4 53.97,25.4 58.37,21 58.85,21
  In2.Cu w0.156: v1(98.05,21) 58.85,21
/IOB_57: length 48.7
  Top w0.127: 51.45,17.58 50.95,18.08 50.95,22.21 U1.T2
  Top w0.156: 51.45,17.58 58.43,10.6 J3.116
/IOB_58: length 49.2
  In2.Cu w0.127: 58.65,20.2 58.05,20.2 53.25,25 51.55,25 v1(51.06,25.49)
  In2.Cu w0.156: v1(98.05,20.2) 58.65,20.2
/IOB_59: length 48.9
  Top w0.127: 52.05,17.98 51.45,18.58 51.45,22.28 50.5,23.23 U1.R3
  Top w0.156: J3.115 58.63,11.4 52.05,17.98
/IOB_60: length 46.8
  Top w0.127: 54.05,18.98 53.25,19.78 53.25,22.4 52.03,23.62 52.03,23.96 51.63,24.35 U1.R5
  Top w0.156: J3.112 59.23,13.8 54.05,18.98
/IOB_61: length 47.2
  Top w0.127: 52.65,18.38 52.05,18.98 52.05,22.24 U1.T3
  Top w0.156: 52.65,18.38 58.83,12.2 J3.114
/IOB_63: length 47.4
  Top w0.127: 53.25,18.78 52.65,19.38 52.65,22.21 51.06,23.8 U1.R4
  Top w0.156: 53.25,18.78 59.03,13 J3.113
/IOB_64: length 63
  In3.Cu w0.127: v1(51.06,27.75) 51.06,27.23 50.65,26.82 50.65,26.42 50.86,26.21 50.86,25.81 50.7,25.64 50.7,25.24 50.86,25.07 50.86,24.41 50.55,24.1 v1(50.55,14.8)
  Bottom w0.156: v1(50.55,14.8) 50.55,14.3 54.25,10.6 58.65,10.6 v1(98.05,10.6)
/IOB_66: length 48.9
  In2.Cu w0.127: 51.64,27.2 v1(51.63,27.19) 52.15,27.19 52.53,26.8 52.99,26.8 53.18,26.99 53.48,26.99 54.16,26.3 55.55,26.3 58.05,23.8 61.65,23.8
  In2.Cu w0.156: v1(98.05,25) 96.85,23.8 61.25,23.8
/IOB_67: length 48.2
  In2.Cu w0.127: v1(51.63,26.05) 52.24,26.05 52.61,25.69 54.56,25.69 58.45,21.8 59.25,21.8
  In2.Cu w0.156: v1(98.05,21.8) 59.25,21.8
/IOB_68: length 43
  Top w0.127: U1.M8 52.2,28.32 52.6,28.71 52.93,28.71 53.16,28.49 53.5,28.49 53.73,28.71 54.06,28.71 55.62,27.15 57.09,27.15 58.45,25.8 60.85,25.8 63.65,23
  Top w0.156: 63.65,23 64.05,22.6 89.85,22.6 J3.101
/IOB_69: length 45.1
  Top w0.127: 54.45,19.58 53.85,20.18 53.85,22.71 U1.T5
  Top w0.156: J3.111 59.43,14.6 54.45,19.58
/IOB_71: length 52.1
  Top w0.127: U1.R6 52.2,24.92 54.45,22.66 54.45,21.4 v1(60.05,15.8)
  In2.Cu w0.156: v1(60.05,15.8) 60.85,15 94.25,15 96.25,17 v1(98.05,17)
/IOB_72: length 43.2
  Top w0.127: 60.65,18.74 52.76,26.63 v1(52.76,27.19)
  Top w0.156: J3.107 89.05,17.8 61.58,17.8 60.68,18.7
  In2.Cu w0.127: v1(52.76,27.19) 52.82,27.24
/IOB_73: length 50.3
  Top w0.127: U1.T6 55.05,22.64 55.05,22 v1(61.25,15.8)
  Bottom w0.156: v1(98.05,17.8) 96.05,17.8 94.05,15.8 v1(61.25,15.8)
/IOB_74: length 51.2
  Bottom w0.127: 61.25,28.2 59.65,28.2 59.25,27.8 54.66,27.8 54.26,28.2 54.26,28.47 54.04,28.68 53.64,28.68 53.48,28.52 53.18,28.52 52.39,29.3 51.78,29.3 v1(51.63,29.45)
  Bottom w0.156: 61.25,28.2 64.85,28.2 67.25,25.8 86.25,25.8 88.67,28.22 91.27,28.22 95.25,32.2 v1(98.05,32.2)
/IOB_75: length 42.3
  Top w0.127: U1.T7 53.33,24.92 60.85,17.4
  Top w0.156: 60.85,17.4 61.25,17 89.2,17 J3.108
/IOB_76: length 40.9
  Top w0.127: U1.T8 53.98,25.97 54.28,25.97 58.05,22.2 58.45,22.2 60.85,19.8
  Top w0.156: 60.85,19.8 62.05,18.6 J3.106
/IOB_77: length 47.5
  In2.Cu w0.127: 59.45,22.6 58.5,22.6 55.1,26 53.33,26 52.91,26.42 52.4,26.42 v1(52.2,26.62)
  In2.Cu w0.156: v1(98.05,22.6) 59.45,22.6
/IOB_78: length 47.7
  In2.Cu w0.127: 61.25,25.8 57.65,25.8 56.39,27.06 54.63,27.06 53.38,28.32 v1(52.76,28.32)
  In2.Cu w0.156: 61.25,25.8 62.65,25.8 65.85,29 v1(98.05,29)
/IOB_79: length 39.9
  Top w0.127: 62.25,20.8 59.65,23.4 58.45,23.4 55.56,26.29 55.2,26.29 54.96,26.54 54.54,26.54 U1.T9
  Top w0.156: 62.25,20.8 62.85,20.2 89.05,20.2 J3.104
/IOB_80: length 50.6
  Bottom w0.127: v1(52.2,28.88) 52.2,28.37 52.61,27.95 53,27.95 53.16,28.12 53.48,28.12 54.2,27.4 61.25,27.4
  Bottom w0.156: v1(98.05,31.4) 96.29,31.4 89.89,25 67.05,25 64.65,27.4 61.25,27.4
/IOB_81: length 41.4
  Top w0.127: 61.85,20 59.05,22.8 58.25,22.8 54.82,26.22 54.29,26.22 53.89,26.63 U1.R9
  Top w0.156: 61.85,20 62.45,19.4 88.85,19.4 J3.105
/IOB_82: length 52.2
  Bottom w0.127: v1(51.06,30.01) 51.68,30.01 52.04,29.65 52.35,29.65 52.51,29.81 52.91,29.81 53.73,29 54.06,29 54.31,29.25 54.61,29.25 54.78,29.08 55.27,29.08 56,29.81 56.31,29.81 56.72,29.4 61.45,29.4
  Bottom w0.156: v1(98.05,33) 94.85,33 90.87,29.02 88.27,29.02 85.85,26.6 67.45,26.6 64.65,29.4 61.25,29.4
/IOB_83: length 47.4
  In2.Cu w0.127: v1(53.33,27.75) 53.33,27.72 54.45,26.6 56.05,26.6 57.65,25 61.45,25
  In2.Cu w0.156: v1(98.05,28.2) 66.25,28.2 63.05,25 61.25,25
/IOB_84: length 40.4
  Top w0.127: 62.85,21.4 60.05,24.2 58.45,24.2 56.1,26.55 55.3,26.55 55.06,26.79 54.86,26.79 54.46,27.19 U1.R10
  Top w0.156: J3.103 63.25,21 62.85,21.4
/IOB_85: length 51
  Top w0.127: v1(52.2,30.01) 52.77,30.01 53.73,29.05 54.07,29.05 54.29,29.28 54.62,29.28 55.42,28.48 55.76,28.48 55.99,28.71 56.33,28.71 57.04,28 57.65,28 58.75,26.9 62.35,26.9 v1(64.65,24.6)
  Bottom w0.156: v1(64.65,24.6) 66.65,22.6 91.9,22.6 95.9,26.6 v1(98.05,26.6)
/IOB_86: length 45.5
  In2.Cu w0.127: v1(53.89,28.32) 54.81,27.4 60.25,27.4
  In2.Cu w0.156: 60.25,27.4 63.05,27.4 65.45,29.8 v1(98.05,29.8)
/IOB_87: length 46.2
  In2.Cu w0.127: v1(53.33,28.88) 53.85,28.88 54.78,27.95 56.4,27.95 56.65,28.2 60.25,28.2
  In2.Cu w0.156: 60.25,28.2 62.65,28.2 65.03,30.59 98.03,30.59 v1(98.05,30.6)
/IOB_88: length 39
  Top w0.127: 63.25,22.2 60.45,25 58.45,25 56.65,26.8 55.41,26.8 U1.T10
  Top w0.156: J3.102 63.65,21.8 63.25,22.2
/IOB_89: length 46.6
  Top w0.127: v1(63.25,24.6) 61.45,26.4 58.55,26.4 57.46,27.49 55.85,27.49 U1.T11
  Bottom w0.156: v1(98.05,25.8) 96.25,25.8 92.25,21.8 66.05,21.8 v1(63.25,24.6)
